# Altium PCB roach2.PcbDoc (part 1 of 39) (continued)
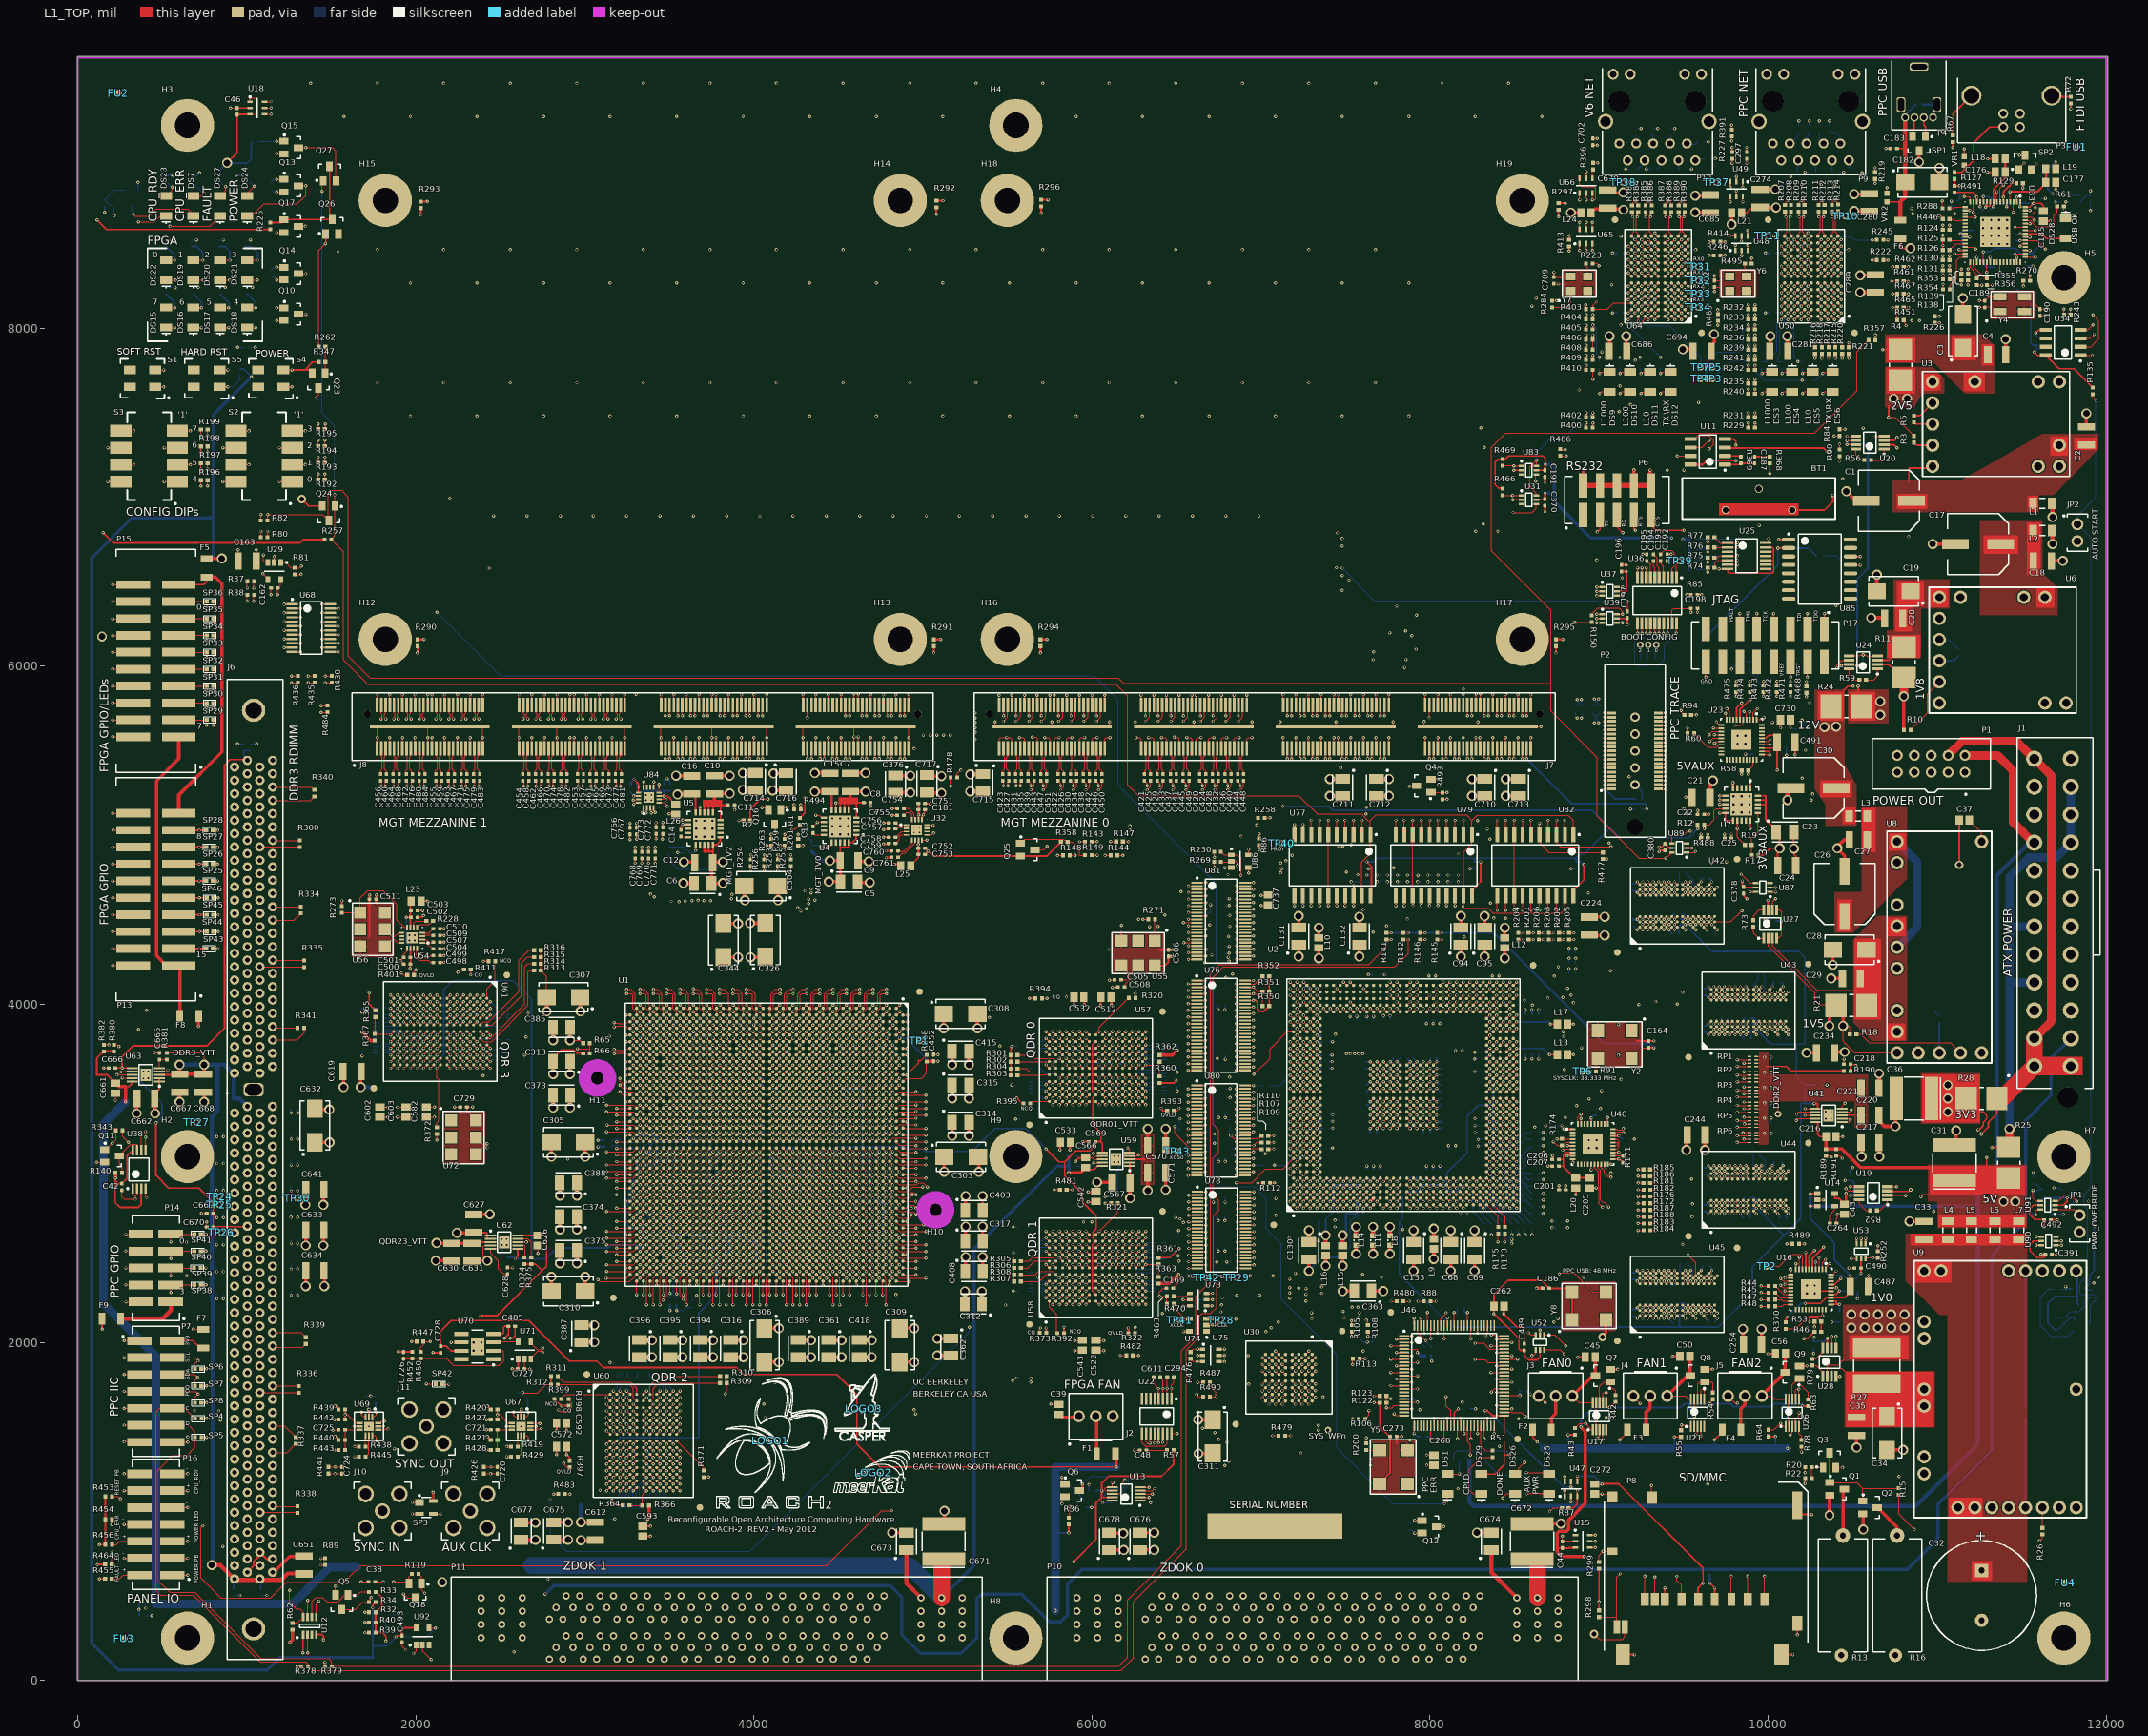
[diagram p0: L1_TOP view]
## Classes and differential pairs (continued)
net class eth_diff_pairs: PPCMDI_0_N PPCMDI_0_P PPCMDI_1_N PPCMDI_1_P PPCMDI_2_N PPCMDI_2_P PPCMDI_3_N PPCMDI_3_P V6MDI_0_N V6MDI_0_P V6MDI_1_N V6MDI_1_P V6MDI_2_N V6MDI_2_P V6MDI_3_N V6MDI_3_P
net class QDR0: QDR0.A0 QDR0.A1 QDR0.A2 QDR0.A3 QDR0.A4 QDR0.A5 QDR0.A6 QDR0.A7 QDR0.A8 QDR0.A9 QDR0.A10 QDR0.A11 QDR0.A12 QDR0.A13 QDR0.A14 QDR0.A15 QDR0.A16 QDR0.A17 QDR0.A18 QDR0.A19 QDR0.A20 QDR0.BWN0 QDR0.BWN1 QDR0.BWN2 QDR0.BWN3 QDR0.D0 QDR0.D1 QDR0.D2 QDR0.D3 QDR0.D4 QDR0.D5 QDR0.D6 QDR0.D7 QDR0.D8 QDR0.D9 QDR0.D10 QDR0.D11 QDR0.D12 QDR0.D13 QDR0.D14 QDR0.D15 QDR0.D16 QDR0.D17 QDR0.D18 QDR0.D19 QDR0.D20 QDR0.D21 QDR0.D22 QDR0.D23 QDR0.D24 QDR0.D25 QDR0.D26 QDR0.D27 QDR0.D28 QDR0.D29 QDR0.D30 QDR0.D31 QDR0.D32 QDR0.D33 QDR0.D34 QDR0.D35 QDR0.K QDR0.KN QDR0.Q0 QDR0.Q1 QDR0.Q2 QDR0.Q3 QDR0.Q4 QDR0.Q5 QDR0.Q6 QDR0.Q7 QDR0.Q8 QDR0.Q9 QDR0.Q10 QDR0.Q11 QDR0.Q12 QDR0.Q13 QDR0.Q14 QDR0.Q15 QDR0.Q16 QDR0.Q17 QDR0.Q18 QDR0.Q19 QDR0.Q20 QDR0.Q21 QDR0.Q22 QDR0.Q23 QDR0.Q24 QDR0.Q25 QDR0.Q26 QDR0.Q27 QDR0.Q28 QDR0.Q29 QDR0.Q30 QDR0.Q31 QDR0.Q32 QDR0.Q33 QDR0.Q34 QDR0.Q35 QDR0.RDN QDR0.WRN
net class qdr3_q: QDR3.Q0 QDR3.Q1 QDR3.Q2 QDR3.Q3 QDR3.Q4 QDR3.Q5 QDR3.Q6 QDR3.Q7 QDR3.Q8 QDR3.Q9 QDR3.Q10 QDR3.Q11 QDR3.Q12 QDR3.Q13 QDR3.Q14 QDR3.Q15 QDR3.Q16 QDR3.Q17 QDR3.Q18 QDR3.Q19 QDR3.Q20 QDR3.Q21 QDR3.Q22 QDR3.Q23 QDR3.Q24 QDR3.Q25 QDR3.Q26 QDR3.Q27 QDR3.Q28 QDR3.Q29 QDR3.Q30 QDR3.Q31 QDR3.Q32 QDR3.Q33 QDR3.Q34 QDR3.Q35
net class ZDOK0: ZDOK0.CLK0_N ZDOK0.CLK0_P ZDOK0.CLK1_N ZDOK0.CLK1_P ZDOK0.DP_N0 ZDOK0.DP_N1 ZDOK0.DP_N2 ZDOK0.DP_N3 ZDOK0.DP_N4 ZDOK0.DP_N5 ZDOK0.DP_N6 ZDOK0.DP_N7 ZDOK0.DP_N8 ZDOK0.DP_N9 ZDOK0.DP_N10 ZDOK0.DP_N11 ZDOK0.DP_N12 ZDOK0.DP_N13 ZDOK0.DP_N14 ZDOK0.DP_N15 ZDOK0.DP_N16 ZDOK0.DP_N17 ZDOK0.DP_N18 ZDOK0.DP_N19 ZDOK0.DP_N20 ZDOK0.DP_N21 ZDOK0.DP_N22 ZDOK0.DP_N23 ZDOK0.DP_N24 ZDOK0.DP_N25 ZDOK0.DP_N26 ZDOK0.DP_N27 ZDOK0.DP_N28 ZDOK0.DP_N29 ZDOK0.DP_N30 ZDOK0.DP_N31 ZDOK0.DP_N32 ZDOK0.DP_N33 ZDOK0.DP_N34 ZDOK0.DP_N35 ZDOK0.DP_N36 ZDOK0.DP_N37 ZDOK0.DP_P0 ZDOK0.DP_P1 ZDOK0.DP_P2 ZDOK0.DP_P3 ZDOK0.DP_P4 ZDOK0.DP_P5 ZDOK0.DP_P6 ZDOK0.DP_P7 ZDOK0.DP_P8 ZDOK0.DP_P9 ZDOK0.DP_P10 ZDOK0.DP_P11 ZDOK0.DP_P12 ZDOK0.DP_P13 ZDOK0.DP_P14 ZDOK0.DP_P15 ZDOK0.DP_P16 ZDOK0.DP_P17 ZDOK0.DP_P18 ZDOK0.DP_P19 ZDOK0.DP_P20 ZDOK0.DP_P21 ZDOK0.DP_P22 ZDOK0.DP_P23 ZDOK0.DP_P24 ZDOK0.DP_P25 ZDOK0.DP_P26 ZDOK0.DP_P27 ZDOK0.DP_P28 ZDOK0.DP_P29 ZDOK0.DP_P30 ZDOK0.DP_P31 ZDOK0.DP_P32 ZDOK0.DP_P33 ZDOK0.DP_P34 ZDOK0.DP_P35 ZDOK0.DP_P36 ZDOK0.DP_P37
net class ZDOK1: ZDOK1.CLK0_N ZDOK1.CLK0_P ZDOK1.CLK1_N ZDOK1.CLK1_P ZDOK1.DP_N0 ZDOK1.DP_N1 ZDOK1.DP_N2 ZDOK1.DP_N3 ZDOK1.DP_N4 ZDOK1.DP_N5 ZDOK1.DP_N6 ZDOK1.DP_N7 ZDOK1.DP_N8 ZDOK1.DP_N9 ZDOK1.DP_N10 ZDOK1.DP_N11 ZDOK1.DP_N12 ZDOK1.DP_N13 ZDOK1.DP_N14 ZDOK1.DP_N15 ZDOK1.DP_N16 ZDOK1.DP_N17 ZDOK1.DP_N18 ZDOK1.DP_N19 ZDOK1.DP_N20 ZDOK1.DP_N21 ZDOK1.DP_N22 ZDOK1.DP_N23 ZDOK1.DP_N24 ZDOK1.DP_N25 ZDOK1.DP_N26 ZDOK1.DP_N27 ZDOK1.DP_N28 ZDOK1.DP_N29 ZDOK1.DP_N30 ZDOK1.DP_N31 ZDOK1.DP_N32 ZDOK1.DP_N33 ZDOK1.DP_N34 ZDOK1.DP_N35 ZDOK1.DP_N36 ZDOK1.DP_N37 ZDOK1.DP_P0 ZDOK1.DP_P1 ZDOK1.DP_P2 ZDOK1.DP_P3 ZDOK1.DP_P4 ZDOK1.DP_P5 ZDOK1.DP_P6 ZDOK1.DP_P7 ZDOK1.DP_P8 ZDOK1.DP_P9 ZDOK1.DP_P10 ZDOK1.DP_P11 ZDOK1.DP_P12 ZDOK1.DP_P13 ZDOK1.DP_P14 ZDOK1.DP_P15 ZDOK1.DP_P16 ZDOK1.DP_P17 ZDOK1.DP_P18 ZDOK1.DP_P19 ZDOK1.DP_P20 ZDOK1.DP_P21 ZDOK1.DP_P22 ZDOK1.DP_P23 ZDOK1.DP_P24 ZDOK1.DP_P25 ZDOK1.DP_P26 ZDOK1.DP_P27 ZDOK1.DP_P28 ZDOK1.DP_P29 ZDOK1.DP_P30 ZDOK1.DP_P31 ZDOK1.DP_P32 ZDOK1.DP_P33 ZDOK1.DP_P34 ZDOK1.DP_P35 ZDOK1.DP_P36 ZDOK1.DP_P37
net class DDR2_D0: DDR2.DM0 DDR2.DQ0 DDR2.DQ1 DDR2.DQ2 DDR2.DQ3 DDR2.DQ4 DDR2.DQ5 DDR2.DQ6 DDR2.DQ7 DDR2.DQS0
net class DDR2_D1: DDR2.DM1 DDR2.DQ8 DDR2.DQ9 DDR2.DQ10 DDR2.DQ11 DDR2.DQ12 DDR2.DQ13 DDR2.DQ14 DDR2.DQ15 DDR2.DQS1
net class DDR2_D2: DDR2.DM2 DDR2.DQ16 DDR2.DQ17 DDR2.DQ18 DDR2.DQ19 DDR2.DQ20 DDR2.DQ21 DDR2.DQ22 DDR2.DQ23 DDR2.DQS2
net class DDR2_D3: DDR2.DM3 DDR2.DQ24 DDR2.DQ25 DDR2.DQ26 DDR2.DQ27 DDR2.DQ28 DDR2.DQ29 DDR2.DQ30 DDR2.DQ31 DDR2.DQS3
net class DDR2_D4: DDR2.DM4 DDR2.DQ32 DDR2.DQ33 DDR2.DQ34 DDR2.DQ35 DDR2.DQ36 DDR2.DQ37 DDR2.DQ38 DDR2.DQ39 DDR2.DQS4
net class DDR2_D5: DDR2.DM5 DDR2.DQ40 DDR2.DQ41 DDR2.DQ42 DDR2.DQ43 DDR2.DQ44 DDR2.DQ45 DDR2.DQ46 DDR2.DQ47 DDR2.DQS5
net class DDR2_D6: DDR2.DM6 DDR2.DQ48 DDR2.DQ49 DDR2.DQ50 DDR2.DQ51 DDR2.DQ52 DDR2.DQ53 DDR2.DQ54 DDR2.DQ55 DDR2.DQS6
net class DDR2_D7: DDR2.DM7 DDR2.DQ56 DDR2.DQ57 DDR2.DQ58 DDR2.DQ59 DDR2.DQ60 DDR2.DQ61 DDR2.DQ62 DDR2.DQ63 DDR2.DQS7
component class BGAs: U1 U2 U42 U43 U44 U45 U50 U57 U58 U60 U61 U64
component class SolderMaskPullback2mil: J7 J8 U16 U23 U33 U40 U46 U76 U78 U80 U81
component class HWMON: BT1 C39 C40 C41 C43 C44 C45 C46 C47 C48 C49 C50 C51 C52 C54 C55 C56 C57 C187 C264 C294 C487 C491 C611 C774 C775 C776 C777 C778 C779 F1 F2 F3 F4 J2 J3 J4 J5 Q6 Q7 Q8 Q9 R35 R36 R39 R40 R42 R43 R44 R45 R46 R47 R48 R52 R53 R54 R55 R56 R57 R58 R59 R60 R63 R64 R68 R69 R70 R71 R73 R74 R75 R76 R77 R78 R79 R94 R368 R369 R370 TP2 U11 U13 U14 U15 U16 U17 U18 U19 U20 U21 U22 U23 U24 U25 U26 U27 U28 U85
net class Power: 1V0 1V0MON 1V5 1V5_PPC 1V5MON 1V8 1V8_FTDI 1V8_PPC 1V8MON 2V5 2V5_PPC 2V5MON 3V3 3V3_PPC 3V3AUX 3V3MON 3V8AUX 5V 5VAUX 5VMON 12V 12VMON GND N12V
differential pair SGMII_ACTX: +SGMII_ACTX_P -SGMII_ACTX_N
differential pair SGMII_CLKAC: +SGMII_CLKAC_P -SGMII_CLKAC_N
differential pair SGMII_TX: +SGMII_TX_P -SGMII_TX_N
differential pair SGMII_RX: +SGMII_RX_P -SGMII_RX_N
differential pair MGT_TX31: +MGT_TX_P31 -MGT_TX_N31
differential pair MGT_TX30: +MGT_TX_P30 -MGT_TX_N30
differential pair MGT_TX29: +MGT_TX_P29 -MGT_TX_N29
differential pair MGT_TX28: +MGT_TX_P28 -MGT_TX_N28
differential pair MGT_TX27: +MGT_TX_P27 -MGT_TX_N27
differential pair MGT_TX26: +MGT_TX_P26 -MGT_TX_N26
differential pair MGT_TX25: +MGT_TX_P25 -MGT_TX_N25
differential pair MGT_TX24: +MGT_TX_P24 -MGT_TX_N24
differential pair MGT_TX23: +MGT_TX_P23 -MGT_TX_N23
differential pair MGT_TX22: +MGT_TX_P22 -MGT_TX_N22
differential pair MGT_TX21: +MGT_TX_P21 -MGT_TX_N21
differential pair MGT_TX20: +MGT_TX_P20 -MGT_TX_N20
differential pair MGT_TX19: +MGT_TX_P19 -MGT_TX_N19
differential pair MGT_TX18: +MGT_TX_P18 -MGT_TX_N18
differential pair MGT_TX17: +MGT_TX_P17 -MGT_TX_N17
differential pair MGT_TX16: +MGT_TX_P16 -MGT_TX_N16
differential pair MGT_TX15: +MGT_TX_P15 -MGT_TX_N15
differential pair MGT_TX14: +MGT_TX_P14 -MGT_TX_N14
differential pair MGT_TX13: +MGT_TX_P13 -MGT_TX_N13
differential pair MGT_TX12: +MGT_TX_P12 -MGT_TX_N12
differential pair MGT_TX11: +MGT_TX_P11 -MGT_TX_N11
differential pair MGT_TX10: +MGT_TX_P10 -MGT_TX_N10
differential pair MGT_TX9: +MGT_TX_P9 -MGT_TX_N9
differential pair MGT_TX8: +MGT_TX_P8 -MGT_TX_N8
differential pair MGT_TX7: +MGT_TX_P7 -MGT_TX_N7
differential pair MGT_TX6: +MGT_TX_P6 -MGT_TX_N6
differential pair MGT_TX5: +MGT_TX_P5 -MGT_TX_N5
differential pair MGT_TX4: +MGT_TX_P4 -MGT_TX_N4
differential pair MGT_TX3: +MGT_TX_P3 -MGT_TX_N3
differential pair MGT_TX2: +MGT_TX_P2 -MGT_TX_N2
differential pair MGT_TX1: +MGT_TX_P1 -MGT_TX_N1
differential pair MGT_TX0: +MGT_TX_P0 -MGT_TX_N0
differential pair MGT_RX31: +MGT_RX_P31 -MGT_RX_N31
differential pair MGT_RX30: +MGT_RX_P30 -MGT_RX_N30
differential pair MGT_RX29: +MGT_RX_P29 -MGT_RX_N29
differential pair MGT_RX28: +MGT_RX_P28 -MGT_RX_N28
differential pair MGT_RX27: +MGT_RX_P27 -MGT_RX_N27
differential pair MGT_RX26: +MGT_RX_P26 -MGT_RX_N26
differential pair MGT_RX25: +MGT_RX_P25 -MGT_RX_N25
differential pair MGT_RX24: +MGT_RX_P24 -MGT_RX_N24
differential pair MGT_RX23: +MGT_RX_P23 -MGT_RX_N23
differential pair MGT_RX22: +MGT_RX_P22 -MGT_RX_N22
differential pair MGT_RX21: +MGT_RX_P21 -MGT_RX_N21
differential pair MGT_RX20: +MGT_RX_P20 -MGT_RX_N20
differential pair MGT_RX19: +MGT_RX_P19 -MGT_RX_N19
differential pair MGT_RX18: +MGT_RX_P18 -MGT_RX_N18
differential pair MGT_RX17: +MGT_RX_P17 -MGT_RX_N17
differential pair MGT_RX16: +MGT_RX_P16 -MGT_RX_N16
differential pair MGT_RX15: +MGT_RX_P15 -MGT_RX_N15
differential pair MGT_RX14: +MGT_RX_P14 -MGT_RX_N14
differential pair MGT_RX13: +MGT_RX_P13 -MGT_RX_N13
differential pair MGT_RX12: +MGT_RX_P12 -MGT_RX_N12
differential pair MGT_RX11: +MGT_RX_P11 -MGT_RX_N11
differential pair MGT_RX10: +MGT_RX_P10 -MGT_RX_N10
differential pair MGT_RX9: +MGT_RX_P9 -MGT_RX_N9
differential pair MGT_RX8: +MGT_RX_P8 -MGT_RX_N8
differential pair MGT_RX7: +MGT_RX_P7 -MGT_RX_N7
differential pair MGT_RX6: +MGT_RX_P6 -MGT_RX_N6
differential pair MGT_RX5: +MGT_RX_P5 -MGT_RX_N5
differential pair MGT_RX4: +MGT_RX_P4 -MGT_RX_N4
differential pair MGT_RX3: +MGT_RX_P3 -MGT_RX_N3
differential pair MGT_RX2: +MGT_RX_P2 -MGT_RX_N2
differential pair MGT_RX1: +MGT_RX_P1 -MGT_RX_N1
differential pair MGT_RX0: +MGT_RX_P0 -MGT_RX_N0
differential pair EXT_REFCLK7: +EXT_REFCLK_P7 -EXT_REFCLK_N7
differential pair EXT_REFCLK6: +EXT_REFCLK_P6 -EXT_REFCLK_N6
differential pair EXT_REFCLK5: +EXT_REFCLK_P5 -EXT_REFCLK_N5
differential pair EXT_REFCLK4: +EXT_REFCLK_P4 -EXT_REFCLK_N4
differential pair EXT_REFCLK3: +EXT_REFCLK_P3 -EXT_REFCLK_N3
differential pair EXT_REFCLK2: +EXT_REFCLK_P2 -EXT_REFCLK_N2
differential pair EXT_REFCLK1: +EXT_REFCLK_P1 -EXT_REFCLK_N1
differential pair EXT_REFCLK0: +EXT_REFCLK_P0 -EXT_REFCLK_N0
differential pair ZDOK1.CLK1: +ZDOK1.CLK1_P -ZDOK1.CLK1_N
differential pair ZDOK1.CLK0: +ZDOK1.CLK0_P -ZDOK1.CLK0_N
differential pair ZDOK0.DP37: +ZDOK0.DP_P37 -ZDOK0.DP_N37
differential pair ZDOK0.DP36: +ZDOK0.DP_P36 -ZDOK0.DP_N36
differential pair ZDOK0.DP35: +ZDOK0.DP_P35 -ZDOK0.DP_N35
differential pair ZDOK0.DP34: +ZDOK0.DP_P34 -ZDOK0.DP_N34
differential pair ZDOK0.DP33: +ZDOK0.DP_P33 -ZDOK0.DP_N33
differential pair ZDOK0.DP32: +ZDOK0.DP_P32 -ZDOK0.DP_N32
differential pair ZDOK0.DP31: +ZDOK0.DP_P31 -ZDOK0.DP_N31
differential pair ZDOK0.DP30: +ZDOK0.DP_P30 -ZDOK0.DP_N30
differential pair ZDOK0.DP29: +ZDOK0.DP_P29 -ZDOK0.DP_N29
differential pair ZDOK0.DP28: +ZDOK0.DP_P28 -ZDOK0.DP_N28
differential pair ZDOK0.DP27: +ZDOK0.DP_P27 -ZDOK0.DP_N27
differential pair ZDOK0.DP26: +ZDOK0.DP_P26 -ZDOK0.DP_N26
differential pair ZDOK0.DP25: +ZDOK0.DP_P25 -ZDOK0.DP_N25
differential pair ZDOK0.DP24: +ZDOK0.DP_P24 -ZDOK0.DP_N24
differential pair ZDOK0.DP23: +ZDOK0.DP_P23 -ZDOK0.DP_N23
differential pair ZDOK0.DP22: +ZDOK0.DP_P22 -ZDOK0.DP_N22
differential pair ZDOK0.DP21: +ZDOK0.DP_P21 -ZDOK0.DP_N21
differential pair ZDOK0.DP20: +ZDOK0.DP_P20 -ZDOK0.DP_N20
differential pair ZDOK0.DP19: +ZDOK0.DP_P19 -ZDOK0.DP_N19
differential pair ZDOK0.DP18: +ZDOK0.DP_P18 -ZDOK0.DP_N18
differential pair ZDOK0.DP17: +ZDOK0.DP_P17 -ZDOK0.DP_N17
differential pair ZDOK0.DP16: +ZDOK0.DP_P16 -ZDOK0.DP_N16
differential pair ZDOK0.DP15: +ZDOK0.DP_P15 -ZDOK0.DP_N15
differential pair ZDOK0.DP14: +ZDOK0.DP_P14 -ZDOK0.DP_N14
differential pair ZDOK0.DP13: +ZDOK0.DP_P13 -ZDOK0.DP_N13
differential pair ZDOK0.DP12: +ZDOK0.DP_P12 -ZDOK0.DP_N12
differential pair ZDOK0.DP11: +ZDOK0.DP_P11 -ZDOK0.DP_N11
differential pair ZDOK0.DP10: +ZDOK0.DP_P10 -ZDOK0.DP_N10
differential pair ZDOK0.DP9: +ZDOK0.DP_P9 -ZDOK0.DP_N9
differential pair ZDOK0.DP8: +ZDOK0.DP_P8 -ZDOK0.DP_N8
differential pair ZDOK0.DP7: +ZDOK0.DP_P7 -ZDOK0.DP_N7
differential pair ZDOK0.DP6: +ZDOK0.DP_P6 -ZDOK0.DP_N6
differential pair ZDOK0.DP5: +ZDOK0.DP_P5 -ZDOK0.DP_N5
differential pair ZDOK0.DP4: +ZDOK0.DP_P4 -ZDOK0.DP_N4
differential pair ZDOK0.DP3: +ZDOK0.DP_P3 -ZDOK0.DP_N3
differential pair ZDOK0.DP2: +ZDOK0.DP_P2 -ZDOK0.DP_N2
differential pair ZDOK0.DP1: +ZDOK0.DP_P1 -ZDOK0.DP_N1
differential pair ZDOK0.DP0: +ZDOK0.DP_P0 -ZDOK0.DP_N0
differential pair ZDOK0.CLK1: +ZDOK0.CLK1_P -ZDOK0.CLK1_N
differential pair ZDOK0.CLK0: +ZDOK0.CLK0_P -ZDOK0.CLK0_N
differential pair V6MDI_3: +V6MDI_3_P -V6MDI_3_N
differential pair V6MDI_2: +V6MDI_2_P -V6MDI_2_N
differential pair V6MDI_1: +V6MDI_1_P -V6MDI_1_N
differential pair V6MDI_0: +V6MDI_0_P -V6MDI_0_N
differential pair V6_THERM: +V6_THERM_P -V6_THERM_N
differential pair SYS_CLK: +SYS_CLK_P -SYS_CLK_N
differential pair PPCMDI_3: +PPCMDI_3_P -PPCMDI_3_N
differential pair PPCMDI_2: +PPCMDI_2_P -PPCMDI_2_N
differential pair PPCMDI_1: +PPCMDI_1_P -PPCMDI_1_N
differential pair PPCMDI_0: +PPCMDI_0_P -PPCMDI_0_N
differential pair PPC_USBD: +PPC_USBD_P -PPC_USBD_N
differential pair PPC_THERM: +PPC_THERM_P -PPC_THERM_N
differential pair FTDI_USBD: +FTDI_USBD_P -FTDI_USBD_N
differential pair DDR3.DQS8: +DDR3.DQS_P8 -DDR3.DQS_N8
differential pair DDR3.DQS7: +DDR3.DQS_P7 -DDR3.DQS_N7
differential pair DDR3.DQS6: +DDR3.DQS_P6 -DDR3.DQS_N6
differential pair DDR3.DQS5: +DDR3.DQS_P5 -DDR3.DQS_N5
differential pair DDR3.DQS4: +DDR3.DQS_P4 -DDR3.DQS_N4
differential pair DDR3.DQS3: +DDR3.DQS_P3 -DDR3.DQS_N3
differential pair DDR3.DQS2: +DDR3.DQS_P2 -DDR3.DQS_N2
differential pair DDR3.DQS1: +DDR3.DQS_P1 -DDR3.DQS_N1
differential pair DDR3.DQS0: +DDR3.DQS_P0 -DDR3.DQS_N0
differential pair DDR3.CK: +DDR3.CK_P -DDR3.CK_N
differential pair DDR2.CLKOUT: +DDR2.CLKOUT_P -DDR2.CLKOUT_N
differential pair DDR2.CLKOUTR: +DDR2.CLKOUTR_P -DDR2.CLKOUTR_N
differential pair DDR2.CLK3: +DDR2.CLK_P3 -DDR2.CLK_N3
differential pair DDR2.CLK2: +DDR2.CLK_P2 -DDR2.CLK_N2
differential pair DDR2.CLK1: +DDR2.CLK_P1 -DDR2.CLK_N1
differential pair DDR2.CLK0: +DDR2.CLK_P0 -DDR2.CLK_N0
differential pair AUX_SYNCO: +AUX_SYNCO_P -AUX_SYNCO_N
differential pair AUX_SYNCI: +AUX_SYNCI_P -AUX_SYNCI_N
differential pair AUX_CLK: +AUX_CLK_P -AUX_CLK_N
differential pair ZDOK1.DP37: +ZDOK1.DP_P37 -ZDOK1.DP_N37
differential pair ZDOK1.DP36: +ZDOK1.DP_P36 -ZDOK1.DP_N36
differential pair ZDOK1.DP35: +ZDOK1.DP_P35 -ZDOK1.DP_N35
differential pair ZDOK1.DP34: +ZDOK1.DP_P34 -ZDOK1.DP_N34
differential pair ZDOK1.DP33: +ZDOK1.DP_P33 -ZDOK1.DP_N33
differential pair ZDOK1.DP32: +ZDOK1.DP_P32 -ZDOK1.DP_N32
differential pair ZDOK1.DP31: +ZDOK1.DP_P31 -ZDOK1.DP_N31
differential pair ZDOK1.DP30: +ZDOK1.DP_P30 -ZDOK1.DP_N30
differential pair ZDOK1.DP29: +ZDOK1.DP_P29 -ZDOK1.DP_N29
differential pair ZDOK1.DP28: +ZDOK1.DP_P28 -ZDOK1.DP_N28
differential pair ZDOK1.DP27: +ZDOK1.DP_P27 -ZDOK1.DP_N27
differential pair ZDOK1.DP26: +ZDOK1.DP_P26 -ZDOK1.DP_N26
differential pair ZDOK1.DP25: +ZDOK1.DP_P25 -ZDOK1.DP_N25
differential pair ZDOK1.DP24: +ZDOK1.DP_P24 -ZDOK1.DP_N24
differential pair ZDOK1.DP23: +ZDOK1.DP_P23 -ZDOK1.DP_N23
differential pair ZDOK1.DP22: +ZDOK1.DP_P22 -ZDOK1.DP_N22
differential pair ZDOK1.DP21: +ZDOK1.DP_P21 -ZDOK1.DP_N21
differential pair ZDOK1.DP20: +ZDOK1.DP_P20 -ZDOK1.DP_N20
differential pair ZDOK1.DP19: +ZDOK1.DP_P19 -ZDOK1.DP_N19
differential pair ZDOK1.DP18: +ZDOK1.DP_P18 -ZDOK1.DP_N18
differential pair ZDOK1.DP17: +ZDOK1.DP_P17 -ZDOK1.DP_N17
differential pair ZDOK1.DP16: +ZDOK1.DP_P16 -ZDOK1.DP_N16
differential pair ZDOK1.DP15: +ZDOK1.DP_P15 -ZDOK1.DP_N15
differential pair ZDOK1.DP14: +ZDOK1.DP_P14 -ZDOK1.DP_N14
differential pair ZDOK1.DP13: +ZDOK1.DP_P13 -ZDOK1.DP_N13
differential pair ZDOK1.DP12: +ZDOK1.DP_P12 -ZDOK1.DP_N12
differential pair ZDOK1.DP11: +ZDOK1.DP_P11 -ZDOK1.DP_N11
differential pair ZDOK1.DP10: +ZDOK1.DP_P10 -ZDOK1.DP_N10
differential pair ZDOK1.DP9: +ZDOK1.DP_P9 -ZDOK1.DP_N9
differential pair ZDOK1.DP8: +ZDOK1.DP_P8 -ZDOK1.DP_N8
differential pair ZDOK1.DP7: +ZDOK1.DP_P7 -ZDOK1.DP_N7
differential pair ZDOK1.DP6: +ZDOK1.DP_P6 -ZDOK1.DP_N6
differential pair ZDOK1.DP5: +ZDOK1.DP_P5 -ZDOK1.DP_N5
differential pair ZDOK1.DP4: +ZDOK1.DP_P4 -ZDOK1.DP_N4
differential pair ZDOK1.DP3: +ZDOK1.DP_P3 -ZDOK1.DP_N3
differential pair ZDOK1.DP2: +ZDOK1.DP_P2 -ZDOK1.DP_N2
differential pair ZDOK1.DP1: +ZDOK1.DP_P1 -ZDOK1.DP_N1
differential pair ZDOK1.DP0: +ZDOK1.DP_P0 -ZDOK1.DP_N0
differential pair MGT_RX_AC0: +MGT_RX_AC0_P -MGT_RX_AC0_N
differential pair MGT_RX_AC1: +MGT_RX_AC1_P -MGT_RX_AC1_N
differential pair MGT_RX_AC2: +MGT_RX_AC2_P -MGT_RX_AC2_N
differential pair MGT_RX_AC3: +MGT_RX_AC3_P -MGT_RX_AC3_N
differential pair MGT_RX_AC4: +MGT_RX_AC4_P -MGT_RX_AC4_N
differential pair MGT_RX_AC5: +MGT_RX_AC5_P -MGT_RX_AC5_N
differential pair MGT_RX_AC6: +MGT_RX_AC6_P -MGT_RX_AC6_N
differential pair MGT_RX_AC7: +MGT_RX_AC7_P -MGT_RX_AC7_N
differential pair MGT_RX_AC8: +MGT_RX_AC8_P -MGT_RX_AC8_N
differential pair MGT_RX_AC9: +MGT_RX_AC9_P -MGT_RX_AC9_N
differential pair MGT_RX_AC10: +MGT_RX_AC10_P -MGT_RX_AC10_N
differential pair MGT_RX_AC11: +MGT_RX_AC11_P -MGT_RX_AC11_N
differential pair MGT_RX_AC12: +MGT_RX_AC12_P -MGT_RX_AC12_N
differential pair MGT_RX_AC13: +MGT_RX_AC13_P -MGT_RX_AC13_N
differential pair MGT_RX_AC14: +MGT_RX_AC14_P -MGT_RX_AC14_N
differential pair MGT_RX_AC15: +MGT_RX_AC15_P -MGT_RX_AC15_N
differential pair MGT_RX_AC16: +MGT_RX_AC16_P -MGT_RX_AC16_N
differential pair MGT_RX_AC17: +MGT_RX_AC17_P -MGT_RX_AC17_N
differential pair MGT_RX_AC18: +MGT_RX_AC18_P -MGT_RX_AC18_N
differential pair MGT_RX_AC19: +MGT_RX_AC19_P -MGT_RX_AC19_N
differential pair MGT_RX_AC20: +MGT_RX_AC20_P -MGT_RX_AC20_N
differential pair MGT_RX_AC21: +MGT_RX_AC21_P -MGT_RX_AC21_N
differential pair MGT_RX_AC22: +MGT_RX_AC22_P -MGT_RX_AC22_N
differential pair MGT_RX_AC23: +MGT_RX_AC23_P -MGT_RX_AC23_N
differential pair MGT_RX_AC24: +MGT_RX_AC24_P -MGT_RX_AC24_N
differential pair MGT_RX_AC25: +MGT_RX_AC25_P -MGT_RX_AC25_N
differential pair MGT_RX_AC26: +MGT_RX_AC26_P -MGT_RX_AC26_N
differential pair MGT_RX_AC27: +MGT_RX_AC27_P -MGT_RX_AC27_N
differential pair MGT_RX_AC28: +MGT_RX_AC28_P -MGT_RX_AC28_N
differential pair MGT_RX_AC29: +MGT_RX_AC29_P -MGT_RX_AC29_N
differential pair MGT_RX_AC30: +MGT_RX_AC30_P -MGT_RX_AC30_N
differential pair MGT_RX_AC31: +MGT_RX_AC31_P -MGT_RX_AC31_N
differential pair SGMII_RX_AC: +SGMII_RX_AC_P -SGMII_RX_AC_N
differential pair XAUI_CLKAC0: +XAUI_CLKAC0_P -XAUI_CLKAC0_N
differential pair XAUI_CLKAC1: +XAUI_CLKAC1_P -XAUI_CLKAC1_N
differential pair XAUI_CLKAC2: +XAUI_CLKAC2_P -XAUI_CLKAC2_N
differential pair XAUI_CLKREF0: +XAUI_CLKREF0_P -XAUI_CLKREF0_N
differential pair XAUI_CLKREF1: +XAUI_CLKREF1_P -XAUI_CLKREF1_N
differential pair XAUI_CLKREF2: +XAUI_CLKREF2_P -XAUI_CLKREF2_N
differential pair XAUI_CLK: +XAUI_CLK_P -XAUI_CLK_N

## Components (designator, comment, footprint, x,y, rotation, side; value= is the part's Value field where it differs from the comment)
BT1 "S8401-46" HARWIN_S8401-46 9748.7,6924.37 r0 top
C1 "330uF" EEE1CA331UP 10715,6980 r270 top
C2 "22uF" CAPC3225X270L 11882.99,7362.99 r270 top
C3 "680uF" CAPMP7343X430L 11152.99,7982.99 r90 top
C4 "22uF" CAPC3225X270L 11352.99,7842.99 r180 top
C5 "100uF" CAPMP3528X210L 4562.99,4722.99 r0 top
C6 "100uF" CAPMP3528X210L 3697.99,4713.99 r180 top
C7 "10uF" CAPC3225X200L 4570.99,5312.99 r270 top
C8 "0.1uF" CAPC1005X60L 4670.99,5192.99 r180 top
C9 "10uF" CAPC3225X200L 4562.99,4847.99 r180 top
C10 "10uF" CAPC3225X200L 3766.99,5298.99 r270 top
C11 "0.1uF" CAPC1005X60L 3866.99,5178.99 r180 top
C12 "10uF" CAPC3225X200L 3702.99,4837.99 r0 top
C13 "0.01uF" CAPC1005X55L 4350.99,5032.99 r270 top
C14 "0.01uF" CAPC1005X55L 3567.99,5012.99 r270 top
C15 "10uF" CAPC3225X200L 4450.99,5312.99 r270 top
C16 "10uF" CAPC3225X200L 3632.99,5297.99 r270 top
C17 "330uF" EEE1CA331UP 11242.99,6722.99 r270 top
C18 "22uF" CAPC3225X270L 11622.99,6622.99 r180 top
C19 "680uF" CAPMP7343X430L 10742.99,6442.99 r180 top
C20 "22uF" CAPC3225X270L 10742.99,6282.99 r0 top
C21 "10uF" CAPC3225X200L 9602.99,5222.99 r0 top
C22 "0.1uF" CAPC1005X60L 9602.99,5122.99 r0 top
C23 "100uF" CAPMP3528X210L 10100,5020 r0 top
C24 "10uF" CAPC3225X200L 10110,4820 r180 top
C25 "0.01uF" CAPC1005X55L 9762.99,4982.99 r0 top
C26 "330uF" EEE1CA331UP 10452.99,4652.99 r180 top
C27 "22uF" CAPC3225X270L 10532.99,4972.99 r0 top
C28 "1500uF" CAPMP7343X430L 10482.99,4322.99 r180 top
C29 "22uF" CAPC3225X270L 10492.99,4152.99 r0 top
C30 "330uF" EEE1CA331UP 10270,5280 r270 top locked
C31 "330uF" CAPMP7263X380L 11102.99,3062.99 r90 top
C32 "1000uF" CAPPRD750W80D1600H1500P 11262.99,502.99 r270 top
C33 "22uF" CAPC3225X270L 10922.99,2662.99 r270 top
C34 "1500uF" CAPMP7343X430L 10702.99,1462.99 r270 top
C35 "22uF" CAPC3225X270L 10522.99,1502.99 r90 top
C36 "330uF" CAPMP7263X380L 10862.99,3442.99 r180 top
C37 "1uF" CAPC2012X127L 11160,5090 r180 top
C38 "CapStd" CAPC1005X55L 1740,584 r0 top
C39 "4.7uF" CAPC2012X127L 5802.99,1602.99 r270 top
C40 "1uF" CAPC2012X127L 10420,2150 r90 bottom
C41 "1uF" CAPC2012X127L 10500,2300 r180 bottom
C42 "0.1uF" CAPC1005X60L 262,2920 r90 top
C43 "4.7uF" CAPC2012X127L 10452.99,2787.99 r90 top
C44 "0.1uF" CAPC1005X60L 8782.99,802.99 r270 top
C45 "4.7uF" CAPC2012X127L 8947.99,1912.99 r0 top
C46 "0.1uF" CAPC1005X60L 942.99,9282.99 r270 top
C47 "0.1uF" CAPC1005X60L 10483,2978 r270 bottom
C48 "0.1uF" CAPC1005X60L 6302.99,1362.99 r180 top
C49 "0.1uF" CAPC1005X60L 10497.99,7335.79 r270 bottom
C50 "4.7uF" CAPC2012X127L 9507.99,1917.99 r0 top
C51 "1uF" CAPC2012X127L 9940,5480 r0 bottom
C52 "1uF" CAPC2012X127L 10080,5520 r180 bottom
C53 "0.1uF" CAPC1005X60L 6627.99,2232.99 r270 bottom
C54 "0.1uF" CAPC1005X60L 10562.99,6017.99 r270 bottom
C55 "0.1uF" CAPC1005X60L 10027.99,4492.99 r180 bottom
C56 "4.7uF" CAPC2012X127L 10072.99,1932.99 r0 top
C57 "0.1uF" CAPC1005X60L 10270,1983 r90 bottom
C58 "0.1uF" CAPC1005X60L 8642.99,3722.99 r90 bottom
C59 "0.1uF" CAPC1005X60L 8602.99,3722.99 r90 bottom
C60 "1000pF" CAPC1005X55L 8562.99,3722.99 r90 bottom
C61 "0.1uF" CAPC1005X60L 8157.48,2972.44 r0 bottom
C62 "0.1uF" CAPC1005X60L 8314.96,2972.44 r180 bottom
C63 "0.1uF" CAPC1005X60L 8334.65,3108.27 r270 bottom
C64 "0.1uF" CAPC1005X60L 7899.61,2976.38 r180 bottom
C65 "0.1uF" CAPC1005X60L 8064.96,3285.43 r90 bottom
C66 "0.1uF" CAPC1005X60L 7980.31,3242.13 r0 bottom
C67 "0.1uF" CAPC1005X60L 8334.65,3462.6 r90 bottom
C68 "100uF" CAPMP3528X210L 8122.99,2542.99 r270 top
C69 "100uF" CAPMP3528X210L 8262.99,2542.99 r270 top
C70 "0.1uF" CAPC1005X60L 8236.22,2972.44 r0 bottom
C71 "0.1uF" CAPC1005X60L 8334.65,3029.53 r270 bottom
C72 "0.1uF" CAPC1005X60L 8307.09,3181.1 r90 bottom
C73 "0.1uF" CAPC1005X60L 8078.74,2812.99 r180 bottom
C74 "0.1uF" CAPC1005X60L 8129.92,3141.73 r180 bottom
C75 "0.1uF" CAPC1005X60L 8393.91,2970.51 r180 bottom
C76 "0.1uF" CAPC1005X60L 8200.79,2746.06 r0 bottom
C77 "0.1uF" CAPC1005X60L 7482.99,2682.99 r0 bottom
C78 "0.1uF" CAPC1005X60L 7482.99,2722.99 r0 bottom
C79 "0.1uF" CAPC1005X60L 7482.99,2762.99 r0 bottom
C80 "1000pF" CAPC1005X55L 7582.99,2762.99 r180 bottom
C81 "0.1uF" CAPC1005X60L 7362.99,2682.99 r0 bottom
C82 "0.1uF" CAPC1005X60L 7362.99,2722.99 r0 bottom
C83 "0.1uF" CAPC1005X60L 7507.87,2911.42 r90 bottom
C84 "1000pF" CAPC1005X55L 7606.3,2931.1 r180 bottom
C85 "0.1uF" CAPC1005X60L 8021.65,3683.07 r180 bottom
C86 "0.1uF" CAPC1005X60L 8064.96,3600.39 r90 bottom
C87 "0.1uF" CAPC1005X60L 8334.65,3779.53 r90 bottom
C88 "0.1uF" CAPC1005X60L 8334.65,3935.04 r270 bottom
C89 "0.1uF" CAPC1005X60L 8275.59,3954.72 r0 bottom
C90 "0.1uF" CAPC1005X60L 8198.82,3952.76 r180 bottom
C91 "0.1uF" CAPC1005X60L 8602.99,3922.99 r270 bottom
C92 "0.1uF" CAPC1005X60L 8642.99,3922.99 r270 bottom
C93 "1000pF" CAPC1005X55L 8562.99,3922.99 r270 bottom
C94 "100uF" CAPMP3528X210L 8182.99,4402.99 r90 top
C95 "100uF" CAPMP3528X210L 8322.99,4402.99 r90 top
C96 "0.1uF" CAPC1005X60L 8334.65,3856.3 r90 bottom
C97 "0.1uF" CAPC1005X60L 8492.13,3738.19 r270 bottom
C98 "0.1uF" CAPC1005X60L 8013.78,4188.98 r0 bottom
C99 "0.1uF" CAPC1005X60L 8171.26,3748.03 r0 bottom
C100 "0.1uF" CAPC1005X60L 8452.76,3976.38 r270 bottom
C101 "0.1uF" CAPC1005X60L 8387.8,4188.98 r180 bottom
C102 "0.1uF" CAPC1005X60L 7379.92,3149.61 r0 bottom
C103 "0.1uF" CAPC1005X60L 7379.92,3779.53 r0 bottom
C104 "0.1uF" CAPC1005X60L 7687.01,4175.2 r180 bottom
C105 "0.1uF" CAPC1005X60L 7330.71,2852.36 r0 bottom
C106 "0.1uF" CAPC1005X60L 7232.28,2950.79 r90 bottom
C107 "0.1uF" CAPC1005X60L 7507.87,2972.44 r180 bottom
C108 "0.1uF" CAPC1005X60L 7409.45,2970.47 r180 bottom
C109 "0.1uF" CAPC1005X60L 7625.98,2832.68 r90 bottom
C110 "0.1uF" CAPC1005X60L 7350.39,2990.16 r90 bottom
C111 "0.1uF" CAPC1005X60L 8019.68,3000 r270 bottom
C112 "0.1uF" CAPC1005X60L 7665.35,3423.23 r270 bottom
C113 "0.1uF" CAPC1005X60L 7803.15,3287.4 r180 bottom
C114 "0.1uF" CAPC1005X60L 7881.89,3286.42 r0 bottom
C115 "0.1uF" CAPC1005X60L 7665.35,3503.94 r90 bottom
C116 "0.1uF" CAPC1005X60L 7882.87,3640.75 r0 bottom
C117 "0.1uF" CAPC1005X60L 7803.15,3641.73 r180 bottom
C118 "0.1uF" CAPC1005X60L 7625.98,3503.94 r90 bottom
C119 "0.1uF" CAPC1005X60L 7377.95,3700.79 r180 bottom
C120 "0.1uF" CAPC1005X60L 7377.95,3661.42 r180 bottom
C121 "0.1uF" CAPC1005X60L 7377.95,3622.05 r180 bottom
C122 "0.1uF" CAPC1005X60L 7625.98,3425.2 r270 bottom
C123 "0.1uF" CAPC1005X60L 7381.89,3346.46 r180 bottom
C124 "0.1uF" CAPC1005X60L 7381.89,3307.09 r180 bottom
C125 "0.1uF" CAPC1005X60L 7381.89,3267.72 r180 bottom
C126 "0.1uF" CAPC1005X60L 8019.68,3421.26 r270 bottom
C127 "0.1uF" CAPC1005X60L 7625.98,3000 r270 bottom
C128 "0.1uF" CAPC1005X60L 7665.35,3000 r270 bottom
C129 "0.1uF" CAPC1005X60L 7704.72,3000 r270 bottom
C130 "100uF" CAPMP3528X210L 7282.99,2542.99 r270 top
C131 "100uF" CAPMP3528X210L 7222.99,4402.99 r90 top
C132 "100uF" CAPMP3528X210L 7582.99,4402.99 r90 top
C133 "100uF" CAPMP3528X210L 7902.99,2542.99 r270 top
C134 "0.1uF" CAPC1005X60L 7622.05,3641.73 r270 bottom
C135 "0.1uF" CAPC1005X60L 7665.35,3240.16 r0 bottom
C136 "0.1uF" CAPC1005X60L 8059.06,3000 r270 bottom
C137 "0.1uF" CAPC1005X60L 7980.31,3000 r270 bottom
C138 "0.1uF" CAPC1005X60L 8019.68,3503.94 r90 bottom
C139 "0.1uF" CAPC1005X60L 8309.06,3244.09 r0 bottom
C140 "0.1uF" CAPC1005X60L 8309.06,3283.46 r0 bottom
C141 "0.1uF" CAPC1005X60L 8309.06,3324.8 r0 bottom
C142 "0.1uF" CAPC1005X60L 8059.06,3421.26 r270 bottom
C143 "0.1uF" CAPC1005X60L 8307.09,3602.36 r0 bottom
C144 "0.1uF" CAPC1005X60L 8307.09,3677.17 r0 bottom
C145 "0.1uF" CAPC1005X60L 8307.09,3716.54 r0 bottom
C146 "0.1uF" CAPC1005X60L 8059.06,3503.94 r90 bottom
C147 "0.1uF" CAPC1005X60L 8059.06,3929.13 r90 bottom
C148 "0.1uF" CAPC1005X60L 8019.68,3929.13 r90 bottom
C149 "0.1uF" CAPC1005X60L 7980.31,3929.13 r90 bottom
C150 "0.1uF" CAPC1005X60L 7881.89,3681.1 r0 bottom
C151 "0.1uF" CAPC1005X60L 7744.09,3908.39 r0 bottom
C152 "0.1uF" CAPC1005X60L 7645.67,3909.45 r0 bottom
C153 "0.1uF" CAPC1005X60L 7547.24,3909.45 r0 bottom
C154 "0.1uF" CAPC1005X60L 7803.15,3681.1 r180 bottom
C155 "0.1uF" CAPC1005X60L 7354.33,3090.55 r90 bottom
C156 "0.1uF" CAPC1005X60L 7356.3,3403.54 r90 bottom
C157 "0.1uF" CAPC1005X60L 7232.28,3974.41 r270 bottom
C158 "0.1uF" CAPC1005X60L 7291.34,4112.2 r0 bottom
C159 "0.1uF" CAPC1005X60L 7409.45,3952.76 r180 bottom
C160 "0.1uF" CAPC1005X60L 7350.39,3937.01 r270 bottom
C161 "0.1uF" CAPC1005X60L 7354.33,3834.65 r270 bottom
C162 "0.1uF" CAPC1005X60L 1162.99,6462.99 r0 top
C163 "10uF" CAPC3225X200L 1002.99,6622.99 r0 top
C164 "0.1uF" CAPC1005X60L 9292.99,3762.99 r270 top
C165 "0.1uF" CAPC1005X60L 9233.99,5215.99 r0 bottom
C166 "0.1uF" CAPC1005X60L 7165.35,1614.17 r0 bottom
C167 "0.1uF" CAPC1005X60L 7046.99,1929.99 r0 bottom
C168 "0.1uF" CAPC1005X60L 7027.56,1713.58 r90 bottom
C169 "22pF" CAPC1005X55L 6460,2320 r180 top
C170 "0.1uF" CAPC1005X60L 11592.99,8767.99 r180 bottom
C171 "0.1uF" CAPC1005X60L 11532.99,8387.99 r90 bottom
C172 "0.1uF" CAPC1005X60L 11465.99,8537.99 r90 bottom
C173 "0.1uF" CAPC1005X60L 11352.99,8362.99 r0 bottom